# Altium PCB OECU_BASE.PcbDoc (part 3 of 6) (continued)
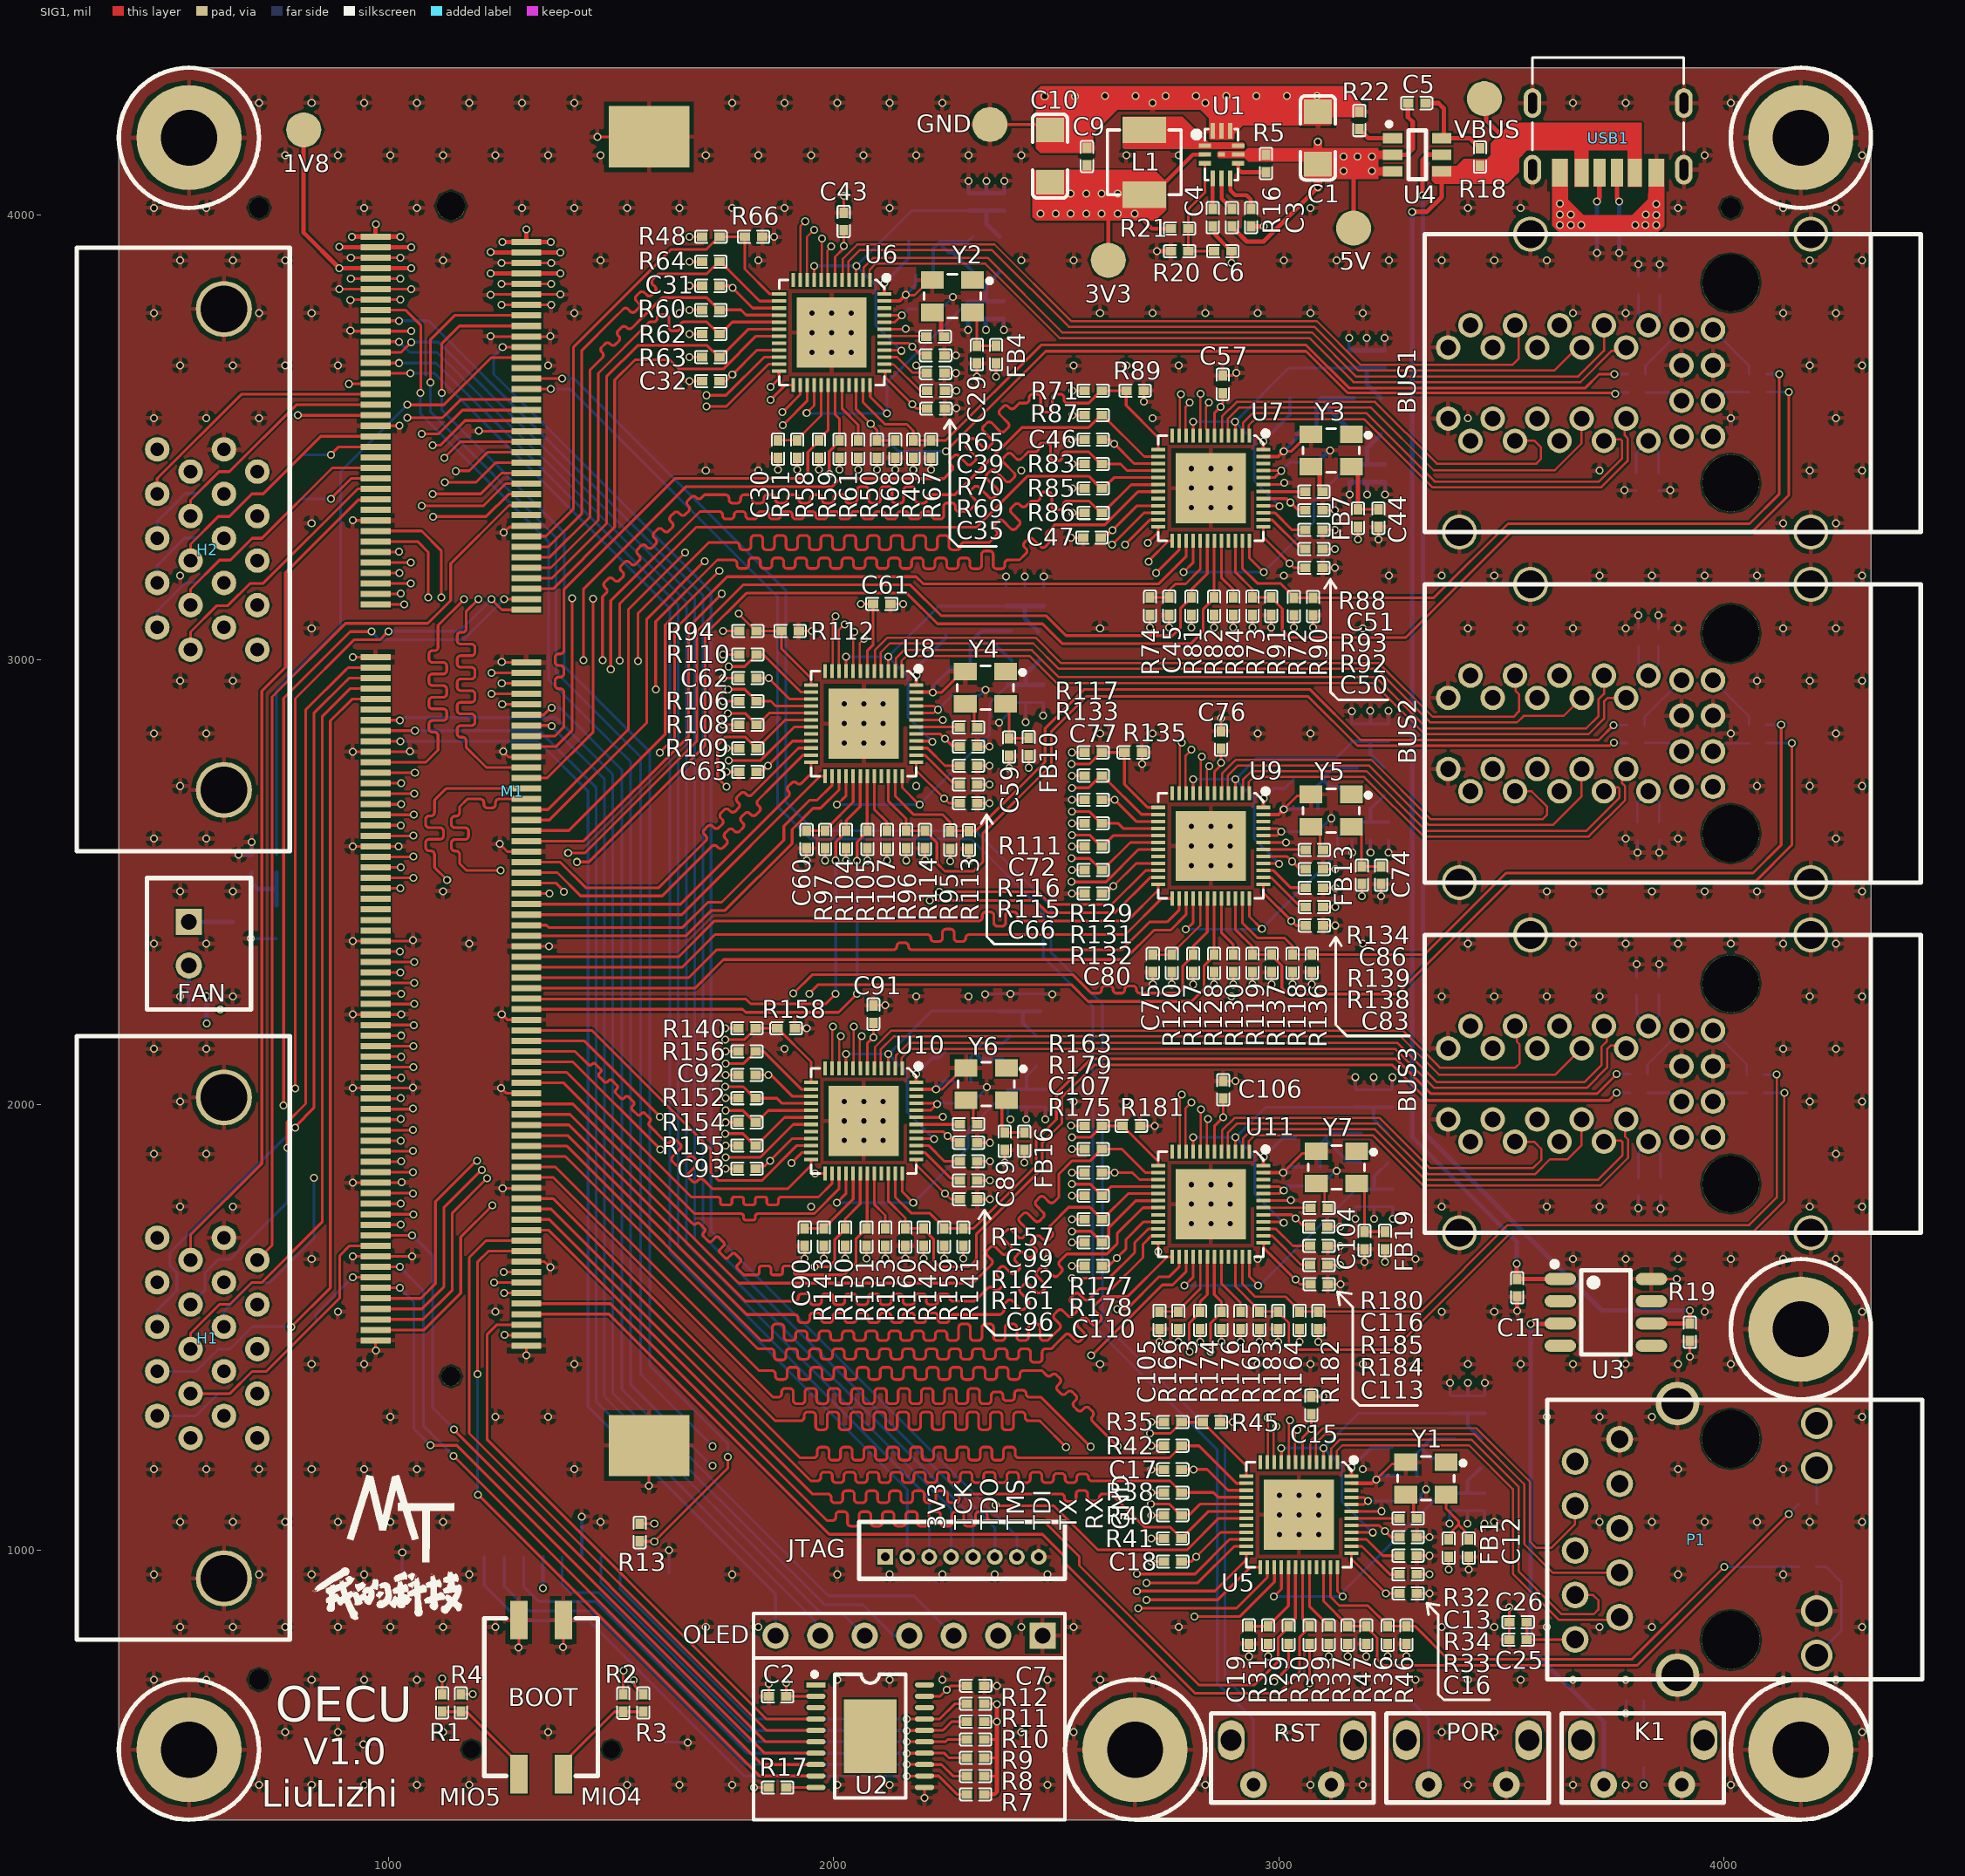
[diagram p0: SIG1 view]
## Nets (pads, with @x,y where several pads share a name; then routed paths per layer and width w, separated by ;. In a path a pad name is that pad's centre, name@x,y a point inside that pad or via, vN(x,y) a via of type N, cw(c..) or ccw(c..) an arc to the next point about the centre after c; other vN are vias at no path point) (continued)
  SIG2 w5.61: v1(1028,2156) 1279.14,2156 1307.56,2156 cw(c1307.56,2148.32) 1315.24,2148.32 1315.24,2142.61 ccw(c1322.93,2142.61) 1322.93,2134.93 1333.17,2134.93 ccw(c1333.17,2142.61) 1340.85,2142.61 1340.85,2153.39 cw(c1348.54,2153.39) 1348.54,2161.07 1358.78,2161.07 cw(c1358.78,2153.39) 1366.46,2153.39 1366.46,2142.61 ccw(c1374.15,2142.61) 1374.15,2134.93 1384.39,2134.93 ccw(c1384.39,2142.61) 1392.07,2142.61 1392.07,2153.39 cw(c1399.76,2153.39) 1399.76,2161.07 1410,2161.07 cw(c1410,2153.39) 1417.68,2153.39 1417.68,2142.61 ccw(c1425.37,2142.61) 1425.37,2134.93 1435.61,2134.93 ccw(c1435.61,2142.61) 1443.29,2142.61 1443.29,2148.32 cw(c1450.98,2148.32) 1450.98,2156 1462.81,2156 1667.5,2156 1673.39,2150.11 1675.38,2148.12 ccw(c1680.81,2153.56) 1686.24,2148.12 1686.39,2148.27 cw(c1691.82,2142.84) 1697.25,2148.27 1704.5,2141.03 cw(c1699.06,2135.59) 1704.5,2130.16 1692.69,2118.35 ccw(c1698.12,2112.92) 1692.69,2107.48 1699.93,2100.24 ccw(c1705.36,2105.67) 1710.79,2100.24 1711.59,2101.04 cw(c1717.03,2095.61) 1722.46,2101.04 1730.5,2093 1736.74,2093 v1(1757,2093)
IO34_15N: M1.137 R127.1 U9.30 | length 2117
  SIG1 w6.16: M1.137@970.71,2250.31 1027.69,2250.31 v1(1028,2250) ; v1(1909.5,2250.5) 1951.5,2292.5 2537.63,2292.5 2579.13,2251 2590.75,2251 2593.83,2251 ccw(c2593.83,2258.85) 2601.68,2258.85 2601.68,2259.6 cw(c2609.53,2259.6) 2609.53,2267.45 2619.99,2267.45 cw(c2619.99,2259.6) 2627.84,2259.6 2627.84,2258.85 ccw(c2635.69,2258.85) 2635.69,2251 2646.15,2251 ccw(c2646.15,2258.85) 2654,2258.85 2654,2259.6 cw(c2661.85,2259.6) 2661.85,2267.45 2672.31,2267.45 cw(c2672.31,2259.6) 2680.16,2259.6 2680.16,2258.85 ccw(c2688.01,2258.85) 2688.01,2251 2701.72,2251 2774,2251 2784,2261 2784,2311.72 2808,2335.72 R127.1@2808,2337.68 2808,2357 2839.51,2388.51 U9.30@2839.51,2463.78
  SIG2 w5.61: v1(1028,2250) 1909,2250 v1(1909.5,2250.5)
IO34_15P: M1.139 R128.1 U9.31 | length 2120.4
  SIG1 w6.16: M1.139@970.71,2226.69 1057.69,2226.69 v1(1058,2227) ; v1(1945,2250) 1955.87,2260.87 1965.5,2270.5 2533.5,2270.5 2571.48,2232.52 2804.52,2232.52 2832,2260 2832,2312 2848.24,2328.24 2848.24,2330.92 R128.1@2855,2337.68 2855,2463.52 U9.31@2855.26,2463.78
  SIG2 w5.61: v1(1058,2227) 1058.5,2226.5 1921.5,2226.5 v1(1945,2250)
IO34_16N: M1.133 R132.1 U9.18 | length 2122.7
  SIG1 w6.16: M1.133@970.71,2297.56 1025.56,2297.56 v1(1026,2298) ; v1(2534.5,2554) 2574.72,2554 2593.95,2534.76 2600.72,2528 2604.65,2528 2666.42,2589.76 U9.18@2729.28,2589.76
  SIG2 w5.61: v1(1026,2298) 1504.13,2298 1506.94,2298 ccw(c1506.94,2305.68) 1514.62,2305.68 1514.62,2310.32 cw(c1522.3,2310.32) 1522.3,2318 1532.55,2318 cw(c1532.55,2310.32) 1540.23,2310.32 1540.23,2299.61 ccw(c1547.91,2299.61) 1547.91,2291.93 1558.16,2291.93 ccw(c1558.16,2299.61) 1565.84,2299.61 1565.84,2310.32 cw(c1573.52,2310.32) 1573.52,2318 1583.77,2318 cw(c1583.77,2310.32) 1591.45,2310.32 1591.45,2299.61 ccw(c1599.13,2299.61) 1599.13,2291.93 1609.38,2291.93 ccw(c1609.38,2299.61) 1617.06,2299.61 1617.06,2310.32 cw(c1624.74,2310.32) 1624.74,2318 1634.99,2318 cw(c1634.99,2310.32) 1642.67,2310.32 1642.67,2299.61 ccw(c1650.35,2299.61) 1650.35,2291.93 1660.6,2291.93 ccw(c1660.6,2299.61) 1668.28,2299.61 1668.28,2310.32 cw(c1675.96,2310.32) 1675.96,2318 1686.21,2318 cw(c1686.21,2310.32) 1693.89,2310.32 1693.89,2299.61 ccw(c1701.57,2299.61) 1701.57,2291.93 1711.82,2291.93 ccw(c1711.82,2299.61) 1719.5,2299.61 1719.5,2310.32 cw(c1727.18,2310.32) 1727.18,2318 1737.43,2318 cw(c1737.43,2310.32) 1745.11,2310.32 1745.11,2299.61 ccw(c1752.79,2299.61) 1752.79,2291.93 1763.04,2291.93 ccw(c1763.04,2299.61) 1770.72,2299.61 1770.72,2310.32 cw(c1778.4,2310.32) 1778.4,2318 1788.65,2318 cw(c1788.65,2310.32) 1796.33,2310.32 1796.33,2305.68 ccw(c1804.01,2305.68) 1804.01,2298 1834.32,2298 2278.5,2298 v1(2534.5,2554)
IO34_16P: M1.135 U9.19 | length 2106.5
  SIG1 w6.16: M1.135@970.71,2273.93 1057.93,2273.93 v1(1058,2274) ; v1(2534.5,2501) 2611.98,2501 2684.99,2574.02 U9.19@2729.28,2574.02
  SIG2 w5.61: v1(1058,2274) 2307.5,2274 2345.61,2312.11 2347.59,2314.09 ccw(c2342.16,2319.52) 2347.59,2324.95 2344.63,2327.91 cw(c2350.07,2333.34) 2344.63,2338.78 2351.88,2346.02 cw(c2357.31,2340.59) 2362.74,2346.02 2379.84,2328.92 ccw(c2385.27,2334.35) 2390.71,2328.92 2397.95,2336.17 ccw(c2392.52,2341.6) 2397.95,2347.03 2380.85,2364.13 cw(c2386.28,2369.56) 2380.85,2374.99 2388.09,2382.24 cw(c2393.53,2376.8) 2398.96,2382.24 2416.06,2365.14 ccw(c2421.49,2370.57) 2426.92,2365.14 2434.17,2372.38 ccw(c2428.73,2377.82) 2434.17,2383.25 2417.07,2400.35 cw(c2422.5,2405.78) 2417.07,2411.21 2424.31,2418.46 cw(c2429.75,2413.02) 2435.18,2418.46 2452.28,2401.36 ccw(c2457.71,2406.79) 2463.14,2401.36 2470.39,2408.6 ccw(c2464.95,2414.03) 2470.39,2419.47 2453.29,2436.56 cw(c2458.72,2442) 2453.29,2447.43 2460.53,2454.67 cw(c2465.96,2449.24) 2471.4,2454.67 2474.35,2451.72 ccw(c2479.78,2457.15) 2485.22,2451.72 2508.65,2475.15 v1(2534.5,2501)
IO34_17N: M1.131 R131.1 U9.17 | length 2193.2
  SIG1 w6.16: M1.131@970.71,2321.18 1057.68,2321.18 v1(1058,2321.5) ; v1(2535,2606.5) 2575.22,2606.5 2600.72,2581 R131.1@2602.68,2581 2604.65,2581 2611.42,2587.76 2611.42,2587.92 2629.01,2605.51 U9.17@2729.28,2605.51
  SIG2 w5.61: v1(1058,2321.5) 1356,2321.5 1382,2347.5 1825.22,2347.5 1853.63,2347.5 cw(c1853.63,2339.82) 1861.32,2339.82 1861.32,2339.22 ccw(c1869,2339.22) 1869,2331.53 1879.24,2331.53 ccw(c1879.24,2339.22) 1886.93,2339.22 1886.93,2353.52 cw(c1894.61,2353.52) 1894.61,2361.21 1904.85,2361.21 cw(c1904.85,2353.52) 1912.54,2353.52 1912.54,2339.22 ccw(c1920.22,2339.22) 1920.22,2331.53 1930.46,2331.53 ccw(c1930.46,2339.22) 1938.15,2339.22 1938.15,2353.52 cw(c1945.83,2353.52) 1945.83,2361.21 1956.07,2361.21 cw(c1956.07,2353.52) 1963.76,2353.52 1963.76,2339.22 ccw(c1971.44,2339.22) 1971.44,2331.53 1981.68,2331.53 ccw(c1981.68,2339.22) 1989.37,2339.22 1989.37,2353.52 cw(c1997.05,2353.52) 1997.05,2361.21 2007.29,2361.21 cw(c2007.29,2353.52) 2014.98,2353.52 2014.98,2339.22 ccw(c2022.66,2339.22) 2022.66,2331.53 2032.9,2331.53 ccw(c2032.9,2339.22) 2040.59,2339.22 2040.59,2353.52 cw(c2048.27,2353.52) 2048.27,2361.21 2058.51,2361.21 cw(c2058.51,2353.52) 2066.2,2353.52 2066.2,2339.22 ccw(c2073.88,2339.22) 2073.88,2331.53 2084.12,2331.53 ccw(c2084.12,2339.22) 2091.81,2339.22 2091.81,2353.52 cw(c2099.49,2353.52) 2099.49,2361.21 2109.73,2361.21 cw(c2109.73,2353.52) 2117.42,2353.52 2117.42,2339.22 ccw(c2125.1,2339.22) 2125.1,2331.53 2135.34,2331.53 ccw(c2135.34,2339.22) 2143.03,2339.22 2143.03,2353.52 cw(c2150.71,2353.52) 2150.71,2361.21 2160.95,2361.21 cw(c2160.95,2353.52) 2168.64,2353.52 2168.64,2339.22 ccw(c2176.32,2339.22) 2176.32,2331.53 2186.56,2331.53 ccw(c2186.56,2339.22) 2194.25,2339.22 2194.25,2339.82 cw(c2201.93,2339.82) 2201.93,2347.5 2250.36,2347.5 2276,2347.5 v1(2535,2606.5)
IO34_17P: M1.129 R129.1 U9.16 | length 2196.5
  SIG1 w6.16: M1.129@970.71,2344.8 1025.3,2344.8 v1(1025.5,2345) ; v1(2535,2659) 2574.72,2659 2600.72,2633 R129.1@2602.68,2633 2638.5,2633 2650.24,2621.26 U9.16@2729.28,2621.26
  SIG2 w5.61: v1(1025.5,2345) 1319,2345 1367.75,2393.75 2269.75,2393.75 2286,2410 2287.98,2411.98 ccw(c2282.55,2417.42) 2287.98,2422.85 2284.78,2426.06 cw(c2290.21,2431.49) 2284.78,2436.92 2292.02,2444.16 cw(c2297.45,2438.73) 2302.89,2444.16 2319.66,2427.39 ccw(c2325.1,2432.82) 2330.53,2427.39 2337.77,2434.63 ccw(c2332.34,2440.06) 2337.77,2445.5 2321,2462.27 cw(c2326.43,2467.71) 2321,2473.14 2328.24,2480.38 cw(c2333.67,2474.95) 2339.1,2480.38 2355.88,2463.6 ccw(c2361.32,2469.04) 2366.75,2463.6 2373.99,2470.85 ccw(c2368.56,2476.28) 2373.99,2481.71 2357.21,2498.49 cw(c2362.65,2503.92) 2357.21,2509.36 2364.46,2516.6 cw(c2369.89,2511.17) 2375.32,2516.6 2392.1,2499.82 ccw(c2397.53,2505.26) 2402.97,2499.82 2410.21,2507.07 ccw(c2404.78,2512.5) 2410.21,2517.93 2393.43,2534.71 cw(c2398.86,2540.14) 2393.43,2545.57 2400.68,2552.82 cw(c2406.11,2547.39) 2411.54,2552.82 2428.32,2536.04 ccw(c2433.75,2541.47) 2439.18,2536.04 2446.43,2543.28 ccw(c2440.99,2548.72) 2446.43,2554.15 2438.92,2561.66 cw(c2444.35,2567.09) 2438.92,2572.52 2446.17,2579.76 cw(c2451.6,2574.33) 2457.03,2579.76 2464.54,2572.26 ccw(c2469.97,2577.69) 2475.4,2572.26 2482.65,2579.5 ccw(c2477.21,2584.93) 2482.65,2590.37 2479.94,2593.07 cw(c2485.37,2598.51) 2479.94,2603.94 2498.59,2622.59 v1(2535,2659)
IO34_18N: M1.132 U9.25 | length 1576.7
  SIG1 w6.16: M1.132@1309.29,2309.37 1659.87,2309.37 1733.5,2383 2181.14,2383 2210.38,2383 cw(c2210.38,2375.15) 2218.23,2375.15 2218.23,2374.83 ccw(c2226.08,2374.83) 2226.08,2366.98 2236.54,2366.98 ccw(c2236.54,2374.83) 2244.39,2374.83 2244.39,2387.21 cw(c2252.24,2387.21) 2252.24,2395.06 2262.7,2395.06 cw(c2262.7,2387.21) 2270.55,2387.21 2270.55,2374.83 ccw(c2278.4,2374.83) 2278.4,2366.98 2288.86,2366.98 ccw(c2288.86,2374.83) 2296.71,2374.83 2296.71,2375.15 cw(c2304.56,2375.15) 2304.56,2383 2343.57,2383 2655.63,2383 2736.41,2463.78 U9.25@2760.77,2463.78
IO34_18P: M1.130 U9.24 | length 1571.7
  SIG1 w6.16: M1.130@1309.29,2332.99 1651.99,2332.99 1732.54,2413.54 2322.98,2413.54 2326.06,2413.54 ccw(c2326.06,2421.39) 2333.91,2421.39 2333.91,2425.69 cw(c2341.76,2425.69) 2341.76,2433.54 2352.22,2433.54 cw(c2352.22,2425.69) 2360.07,2425.69 2360.07,2409.33 ccw(c2367.92,2409.33) 2367.92,2401.48 2378.38,2401.48 ccw(c2378.38,2409.33) 2386.23,2409.33 2386.23,2425.69 cw(c2394.08,2425.69) 2394.08,2433.54 2404.54,2433.54 cw(c2404.54,2425.69) 2412.39,2425.69 2412.39,2421.39 ccw(c2420.24,2421.39) 2420.24,2413.54 2446.62,2413.54 2660.04,2413.54 2729.28,2482.78 U9.24@2729.28,2495.28
IO34_19N: M1.104 U7.24 | length 2140.3
  SIG1 w6.16: M1.104@1309.29,2640.08 1361.08,2640.08 1580,2859 1580,3092.13 v1@1709.93,3222.07 ; v1(2705.5,3263) 2729.28,3286.78 U7.24@2729.28,3299.28
  SIG2 w5.61: v1(1710,3222) 1710,3224 1767,3281 2149.12,3281 2151.93,3281 ccw(c2151.93,3288.68) 2159.61,3288.68 2159.61,3291.82 cw(c2167.29,3291.82) 2167.29,3299.5 2177.54,3299.5 cw(c2177.54,3291.82) 2185.22,3291.82 2185.22,3269.71 ccw(c2192.9,3269.71) 2192.9,3262.02 2203.15,3262.02 ccw(c2203.15,3269.71) 2210.83,3269.71 2210.83,3291.82 cw(c2218.51,3291.82) 2218.51,3299.5 2228.76,3299.5 cw(c2228.76,3291.82) 2236.44,3291.82 2236.44,3269.71 ccw(c2244.12,3269.71) 2244.12,3262.02 2254.37,3262.02 ccw(c2254.37,3269.71) 2262.05,3269.71 2262.05,3291.82 cw(c2269.73,3291.82) 2269.73,3299.5 2279.98,3299.5 cw(c2279.98,3291.82) 2287.66,3291.82 2287.66,3269.71 ccw(c2295.34,3269.71) 2295.34,3262.02 2305.59,3262.02 ccw(c2305.59,3269.71) 2313.27,3269.71 2313.27,3291.82 cw(c2320.95,3291.82) 2320.95,3299.5 2331.2,3299.5 cw(c2331.2,3291.82) 2338.88,3291.82 2338.88,3269.71 ccw(c2346.56,3269.71) 2346.56,3262.02 2356.81,3262.02 ccw(c2356.81,3269.71) 2364.49,3269.71 2364.49,3273.32 cw(c2372.17,3273.32) 2372.17,3281 2383.86,3281 2442.36,3281 2517,3206.36 2648.86,3206.36 v1(2705.5,3263)
IO34_19P: M1.102 U7.23 | length 2140.7
  SIG1 w6.16: M1.102@1309.29,2663.7 1358.2,2663.7 1539,2844.5 1539,3114 v1(1666,3241) ; v1(2654.5,3258.5) 2654.5,3258.74 2710.79,3315.02 U7.23@2729.28,3315.02
  SIG2 w5.61: v1(1666,3241) 1705,3280 1749,3324 1790.07,3324 1792.88,3324 ccw(c1792.88,3331.68) 1800.56,3331.68 1800.56,3337.68 cw(c1808.24,3337.68) 1808.24,3345.36 1818.49,3345.36 cw(c1818.49,3337.68) 1826.17,3337.68 1826.17,3316.32 ccw(c1833.85,3316.32) 1833.85,3308.64 1844.1,3308.64 ccw(c1844.1,3316.32) 1851.78,3316.32 1851.78,3337.68 cw(c1859.46,3337.68) 1859.46,3345.36 1869.71,3345.36 cw(c1869.71,3337.68) 1877.39,3337.68 1877.39,3316.32 ccw(c1885.07,3316.32) 1885.07,3308.64 1895.32,3308.64 ccw(c1895.32,3316.32) 1903,3316.32 1903,3337.68 cw(c1910.68,3337.68) 1910.68,3345.36 1920.93,3345.36 cw(c1920.93,3337.68) 1928.61,3337.68 1928.61,3316.32 ccw(c1936.29,3316.32) 1936.29,3308.64 1946.54,3308.64 ccw(c1946.54,3316.32) 1954.22,3316.32 1954.22,3337.68 cw(c1961.9,3337.68) 1961.9,3345.36 1972.15,3345.36 cw(c1972.15,3337.68) 1979.83,3337.68 1979.83,3331.68 ccw(c1987.51,3331.68) 1987.51,3324 2002.32,3324 2424.71,3324 2524.42,3224.29 2620.29,3224.29 v1(2654.5,3258.5)
IO34_20N: M1.66 R63.1 U6.18 | length 1015
  SIG1 w6.16: M1.66@1309.29,3183.38 1366.79,3183.38 1489.42,3306.02 1489.42,3636.38 1559.54,3706.5 1715.72,3706.5 1741.72,3680.5 1745.65,3680.5 1808.42,3743.26 U6.18@1877.28,3743.26
IO34_20P: M1.68 U6.19 | length 1014.1
  SIG1 w6.16: M1.68@1309.29,3159.76 1369.3,3159.76 1507.9,3298.36 1507.9,3628.73 1553.67,3674.5 1631.5,3674.5 1652.5,3653.5 1751.5,3653.5 1825.52,3727.52 U6.19@1877.28,3727.52
IO34_21N: M1.136 U9.27 | length 1587.4
  SIG1 w6.16: M1.136@1309.29,2262.12 1687.89,2262.12 1752.27,2326.5 2653.5,2326.5 2719.52,2392.52 2756.65,2392.52 2792.27,2428.13 U9.27@2792.27,2463.78
IO34_21P: M1.134 U9.26 | length 1574.3
  SIG1 w6.16: M1.134@1309.29,2285.74 1674.24,2285.74 1737,2348.5 2130.96,2348.5 2134.04,2348.5 ccw(c2134.04,2356.35) 2141.89,2356.35 2141.89,2356.67 cw(c2149.74,2356.67) 2149.74,2364.52 2160.2,2364.52 cw(c2160.2,2356.67) 2168.05,2356.67 2168.05,2356.35 ccw(c2175.9,2356.35) 2175.9,2348.5 2192.13,2348.5 2647.27,2348.5 2709.77,2411 2749,2411 2776.52,2438.52 U9.26@2776.52,2463.78
IO34_22N: M1.117 R133.1 U9.14 | length 2040.3
  SIG1 w6.16: M1.117@970.71,2486.53 v1(1026.5,2486.5) ; v1(2535,2712.5) 2573.22,2712.5 2600.72,2740 R133.1@2602.68,2740 2604.65,2740 2611.42,2733.24 2611.42,2732.58 2691.24,2652.76 U9.14@2729.28,2652.76
  SIG2 w5.61: v1(1026.5,2486.5) 1095,2418 2240.5,2418 2408.38,2585.88 2410.36,2587.86 ccw(c2404.93,2593.3) 2410.36,2598.73 2407.68,2601.41 cw(c2413.12,2606.84) 2407.68,2612.27 2414.93,2619.52 cw(c2420.36,2614.08) 2425.79,2619.52 2440.2,2605.11 ccw(c2445.63,2610.55) 2451.06,2605.11 2458.3,2612.36 ccw(c2452.87,2617.79) 2458.3,2623.22 2443.9,2637.63 cw(c2449.33,2643.06) 2443.9,2648.49 2451.15,2655.73 cw(c2456.58,2650.3) 2462.01,2655.73 2464.69,2653.06 ccw(c2470.12,2658.49) 2475.56,2653.06 2492.3,2669.8 v1(2535,2712.5)
IO34_22P: M1.115 R117.2 R135.1 U9.13 | length 2039.5
  SIG1 w6.16: M1.115@970.71,2510.15 1055.35,2510.15 v1(1055.5,2510) ; v1(2534.5,2766) 2574.72,2766 2600.72,2792 R117.2@2602.69,2792 R135.1@2653.32,2792 2653.32,2720.68 2705.5,2668.5 2717.5,2668.5 U9.13@2729.28,2668.5
  SIG2 w5.61: v1(1055.5,2510) 1125.5,2440 2229,2440 2344.5,2555.5 2344.5,2578 2532.5,2766 v1(2534.5,2766)
IO34_23N: M1.101 R85.1 U7.17 | length 2262.4
  SIG1 w6.16: M1.101@970.71,2675.51 1027.51,2675.51 v1(1028,2676) ; v1(1519,2998.5) 1519,3126.06 1690.94,3298 2321,3298 2436,3413 2572.72,3413 2600.72,3385 R85.1@2602.68,3385 2609.45,3391.76 2611.76,3391.76 2629.51,3409.51 U7.17@2729.28,3409.51
  SIG2 w5.61: v1(1028,2676) 1370.5,2676 1519,2824.5 v1(1519,2998.5)
IO34_23P: M1.103 R86.1 U7.18 | length 2871.4
  SIG1 w6.16: M1.103@970.71,2651.89 1056.89,2651.89 v1(1057,2652) ; v1(1560,2997.5) 1560,3104 1720,3264 1751.08,3264 1780.32,3264 cw(c1780.32,3256.15) 1788.17,3256.15 1788.17,3255.34 ccw(c1796.02,3255.34) 1796.02,3247.49 1806.48,3247.49 ccw(c1806.48,3255.34) 1814.33,3255.34 1814.33,3271.67 cw(c1822.18,3271.67) 1822.18,3279.52 1832.64,3279.52 cw(c1832.64,3271.67) 1840.49,3271.67 1840.49,3255.34 ccw(c1848.34,3255.34) 1848.34,3247.49 1858.8,3247.49 ccw(c1858.8,3255.34) 1866.65,3255.34 1866.65,3271.67 cw(c1874.5,3271.67) 1874.5,3279.52 1884.96,3279.52 cw(c1884.96,3271.67) 1892.81,3271.67 1892.81,3255.34 ccw(c1900.66,3255.34) 1900.66,3247.49 1911.12,3247.49 ccw(c1911.12,3255.34) 1918.97,3255.34 1918.97,3271.67 cw(c1926.82,3271.67) 1926.82,3279.52 1937.28,3279.52 cw(c1937.28,3271.67) 1945.13,3271.67 1945.13,3255.34 ccw(c1952.98,3255.34) 1952.98,3247.49 1963.44,3247.49 ccw(c1963.44,3255.34) 1971.29,3255.34 1971.29,3271.67 cw(c1979.14,3271.67) 1979.14,3279.52 1989.6,3279.52 cw(c1989.6,3271.67) 1997.45,3271.67 1997.45,3255.34 ccw(c2005.3,3255.34) 2005.3,3247.49 2015.76,3247.49 ccw(c2015.76,3255.34) 2023.61,3255.34 2023.61,3271.67 cw(c2031.46,3271.67) 2031.46,3279.52 2041.92,3279.52 cw(c2041.92,3271.67) 2049.77,3271.67 2049.77,3255.34 ccw(c2057.62,3255.34) 2057.62,3247.49 2068.08,3247.49 ccw(c2068.08,3255.34) 2075.93,3255.34 2075.93,3271.67 cw(c2083.78,3271.67) 2083.78,3279.52 2094.24,3279.52 cw(c2094.24,3271.67) 2102.09,3271.67 2102.09,3255.34 ccw(c2109.94,3255.34) 2109.94,3247.49 2120.4,3247.49 ccw(c2120.4,3255.34) 2128.25,3255.34 2128.25,3271.67 cw(c2136.1,3271.67) 2136.1,3279.52 2146.56,3279.52 cw(c2146.56,3271.67) 2154.41,3271.67 2154.41,3255.34 ccw(c2162.26,3255.34) 2162.26,3247.49 2172.72,3247.49 ccw(c2172.72,3255.34) 2180.57,3255.34 2180.57,3271.67 cw(c2188.42,3271.67) 2188.42,3279.52 2198.88,3279.52 cw(c2198.88,3271.67) 2206.73,3271.67 2206.73,3255.34 ccw(c2214.58,3255.34) 2214.58,3247.49 2225.04,3247.49 ccw(c2225.04,3255.34) 2232.89,3255.34 2232.89,3271.67 cw(c2240.74,3271.67) 2240.74,3279.52 2251.2,3279.52 cw(c2251.2,3271.67) 2259.05,3271.67 2259.05,3255.34 ccw(c2266.9,3255.34) 2266.9,3247.49 2277.36,3247.49 ccw(c2277.36,3255.34) 2285.21,3255.34 2285.21,3256.15 cw(c2293.06,3256.15) 2293.06,3264 2333.77,3264 2350,3264 2363.19,3277.19 2365.36,3279.36 ccw(c2359.81,3284.91) 2365.36,3290.46 2362.32,3293.51 cw(c2367.87,3299.05) 2362.32,3304.6 2369.72,3312 cw(c2375.27,3306.45) 2380.82,3312 2398,3294.82 ccw(c2403.55,3300.37) 2409.1,3294.82 2416.5,3302.22 ccw(c2410.95,3307.77) 2416.5,3313.32 2399.32,3330.5 cw(c2404.86,3336.05) 2399.32,3341.6 2406.71,3349 cw(c2412.26,3343.45) 2417.81,3349 2420.86,3345.96 ccw(c2426.41,3351.51) 2431.96,3345.96 2443,3357 2449.03,3357 2452.95,3357 2456.03,3357 ccw(c2456.03,3364.85) 2463.88,3364.85 2463.88,3369.15 cw(c2471.72,3369.15) 2471.72,3377 2482.19,3377 cw(c2482.19,3369.15) 2490.04,3369.15 2490.04,3344.85 ccw(c2497.88,3344.85) 2497.88,3337 2508.35,3337 ccw(c2508.35,3344.85) 2516.2,3344.85 2516.2,3349.15 cw(c2524.04,3349.15) 2524.04,3357 2542.95,3357 2573.72,3357 2593.95,3336.76 2600.72,3330 R86.1@2602.68,3330 2604.65,3330 2668.42,3393.76 U7.18@2729.28,3393.76
  SIG2 w5.61: v1(1057,2652) 1373.5,2652 1560,2838.5 v1(1560,2997.5)
IO34_24N: M1.62 R60.1 U6.16 | length 1062.7
  SIG1 w6.16: M1.62@1309.29,3230.63 1361.76,3230.63 1452.46,3321.33 1452.46,3651.69 1477.94,3677.17 1480.12,3679.35 ccw(c1474.57,3684.9) 1480.12,3690.45 1478.81,3691.76 cw(c1484.36,3697.31) 1478.81,3702.86 1486.21,3710.26 cw(c1491.76,3704.71) 1497.3,3710.26 1498.62,3708.95 ccw(c1504.17,3714.5) 1509.72,3708.95 1517.12,3716.35 ccw(c1511.57,3721.9) 1517.12,3727.45 1515.8,3728.76 cw(c1521.35,3734.31) 1515.8,3739.86 1523.2,3747.26 cw(c1528.75,3741.71) 1534.3,3747.26 1535.61,3745.94 ccw(c1541.16,3751.49) 1546.71,3745.94 1568.56,3767.79 1614.77,3814 1714.22,3814 1741.72,3786.5 1791.5,3786.5 1803.24,3774.76 U6.16@1877.28,3774.76
IO34_24P: M1.64 R62.1 U6.17 | length 1066.3
  SIG1 w6.16: M1.64@1309.29,3207.01 1364.28,3207.01 1470.94,3313.67 1470.94,3644.04 1586.4,3759.5 1592.47,3759.5 1595.55,3759.5 ccw(c1595.55,3767.35) 1603.4,3767.35 1603.4,3768.65 cw(c1611.25,3768.65) 1611.25,3776.5 1621.71,3776.5 cw(c1621.71,3768.65) 1629.56,3768.65 1629.56,3747.35 ccw(c1637.41,3747.35) 1637.41,3739.5 1647.87,3739.5 ccw(c1647.87,3747.35) 1655.72,3747.35 1655.72,3751.65 cw(c1663.57,3751.65) 1663.57,3759.5 1687.73,3759.5 1714.72,3759.5 1734.95,3739.26 1741.72,3732.5 R62.1@1743.68,3732.5 1745.65,3732.5 1772.17,3759.01 U6.17@1877.28,3759.01
IO35_3N: M1.166 U11.23 | length 2330.5
  SIG1 w6.16: M1.166@1309.29,1907.79 1399.81,1907.79 1837.12,1470.48 1851.24,1470.48 1854.32,1470.48 ccw(c1854.32,1478.33) 1862.16,1478.33 1862.16,1499.83 cw(c1870.01,1499.83) 1870.01,1507.67 1880.48,1507.67 cw(c1880.48,1499.83) 1888.33,1499.83 1888.33,1478.33 ccw(c1896.17,1478.33) 1896.17,1470.48 1906.64,1470.48 ccw(c1906.64,1478.33) 1914.48,1478.33 1914.48,1484.41 cw(c1922.33,1484.41) 1922.33,1492.26 1932.8,1492.26 cw(c1932.8,1484.41) 1940.64,1484.41 1940.64,1478.33 ccw(c1948.49,1478.33) 1948.49,1470.48 1958.96,1470.48 ccw(c1958.96,1478.33) 1966.81,1478.33 1966.81,1484.41 cw(c1974.65,1484.41) 1974.65,1492.26 1985.12,1492.26 cw(c1985.12,1484.41) 1992.96,1484.41 1992.96,1478.33 ccw(c2000.81,1478.33) 2000.81,1470.48 2011.28,1470.48 ccw(c2011.28,1478.33) 2019.12,1478.33 2019.12,1484.41 cw(c2026.97,1484.41) 2026.97,1492.26 2037.44,1492.26 cw(c2037.44,1484.41) 2045.28,1484.41 2045.29,1478.33 ccw(c2053.13,1478.33) 2053.13,1470.48 2063.6,1470.48 ccw(c2063.6,1478.33) 2071.45,1478.33 2071.45,1484.41 cw(c2079.29,1484.41) 2079.29,1492.26 2089.76,1492.26 cw(c2089.76,1484.41) 2097.61,1484.41 2097.61,1478.33 ccw(c2105.45,1478.33) 2105.45,1470.48 2115.92,1470.48 ccw(c2115.92,1478.33) 2123.76,1478.33 2123.76,1484.41 cw(c2131.61,1484.41) 2131.61,1492.26 2142.08,1492.26 cw(c2142.08,1484.41) 2149.93,1484.41 2149.93,1478.33 ccw(c2157.77,1478.33) 2157.77,1470.48 2168.24,1470.48 ccw(c2168.24,1478.33) 2176.09,1478.33 2176.09,1484.41 cw(c2183.93,1484.41) 2183.93,1492.26 2194.4,1492.26 cw(c2194.4,1484.41) 2202.24,1484.41 2202.24,1478.33 ccw(c2210.09,1478.33) 2210.09,1470.48 2220.56,1470.48 ccw(c2220.56,1478.33) 2228.4,1478.33 2228.41,1484.41 cw(c2236.25,1484.41) 2236.25,1492.26 2246.72,1492.26 cw(c2246.72,1484.41) 2254.57,1484.41 2254.57,1478.33 ccw(c2262.41,1478.33) 2262.41,1470.48 2272.88,1470.48 ccw(c2272.88,1478.33) 2280.72,1478.33 2280.72,1499.83 cw(c2288.57,1499.83) 2288.57,1507.67 2299.04,1507.67 cw(c2299.04,1499.83) 2306.88,1499.83 2306.89,1478.33 ccw(c2314.73,1478.33) 2314.73,1470.48 2325.2,1470.48 ccw(c2325.2,1478.33) 2333.05,1478.33 2333.05,1499.83 cw(c2340.89,1499.83) 2340.89,1507.67 2351.36,1507.67 cw(c2351.36,1499.83) 2359.2,1499.83 2359.2,1478.33 ccw(c2367.05,1478.33) 2367.05,1470.48 2377.52,1470.48 ccw(c2377.52,1478.33) 2385.36,1478.33 2385.36,1499.83 cw(c2393.21,1499.83) 2393.21,1507.67 2403.68,1507.67 cw(c2403.68,1499.83) 2411.53,1499.83 2411.53,1478.33 ccw(c2419.37,1478.33) 2419.37,1470.48 2429.84,1470.48 ccw(c2429.84,1478.33) 2437.68,1478.33 2437.68,1499.83 cw(c2445.53,1499.83) 2445.53,1507.67 2456,1507.67 cw(c2456,1499.83) 2463.84,1499.83 2463.84,1478.33 ccw(c2471.69,1478.33) 2471.69,1470.48 2481.03,1470.48 2503.7,1493.15 2505.25,1494.7 2507.43,1496.88 ccw(c2501.88,1502.43) 2507.43,1507.98 2496.25,1519.16 cw(c2501.8,1524.71) 2496.25,1530.26 2503.65,1537.65 cw(c2509.2,1532.11) 2514.75,1537.65 2525.92,1526.48 ccw(c2531.47,1532.03) 2537.02,1526.48 2544.42,1533.88 ccw(c2538.87,1539.42) 2544.42,1544.97 2533.24,1556.15 cw(c2538.79,1561.7) 2533.24,1567.25 2540.64,1574.65 cw(c2546.19,1569.1) 2551.74,1574.65 2562.92,1563.47 ccw(c2568.47,1569.02) 2574.02,1563.47 2591.82,1581.28 2598,1587.45 2625.45,1587.45 2694.88,1656.88 2694.88,1686.88 2714.02,1706.02 U11.23@2729.28,1706.02
IO35_3P: M1.168 U11.25 | length 2239.7
  SIG1 w6.16: M1.168@1309.29,1884.17 1397.29,1884.17 1829.46,1452 1858.7,1452 cw(c1858.7,1444.15) 1866.55,1444.15 1866.55,1434.86 ccw(c1874.4,1434.86) 1874.4,1427.01 1884.86,1427.01 ccw(c1884.86,1434.86) 1892.71,1434.86 1892.71,1444.15 cw(c1900.56,1444.15) 1900.56,1452 1911.02,1452 cw(c1911.02,1444.15) 1918.87,1444.15 1918.87,1436.54 ccw(c1926.72,1436.54) 1926.72,1428.69 1937.18,1428.69 ccw(c1937.18,1436.54) 1945.03,1436.54 1945.03,1444.15 cw(c1952.88,1444.15) 1952.88,1452 1963.34,1452 cw(c1963.34,1444.15) 1971.19,1444.15 1971.19,1436.54 ccw(c1979.04,1436.54) 1979.04,1428.69 1989.5,1428.69 ccw(c1989.5,1436.54) 1997.35,1436.54 1997.35,1444.15 cw(c2005.2,1444.15) 2005.2,1452 2015.66,1452 cw(c2015.66,1444.15) 2023.51,1444.15 2023.51,1436.54 ccw(c2031.36,1436.54) 2031.36,1428.69 2041.82,1428.69 ccw(c2041.82,1436.54) 2049.67,1436.54 2049.67,1444.15 cw(c2057.52,1444.15) 2057.52,1452 2067.98,1452 cw(c2067.98,1444.15) 2075.83,1444.15 2075.83,1436.54 ccw(c2083.68,1436.54) 2083.68,1428.69 2094.14,1428.69 ccw(c2094.14,1436.54) 2101.99,1436.54 2101.99,1444.15 cw(c2109.84,1444.15) 2109.84,1452 2120.3,1452 cw(c2120.3,1444.15) 2128.15,1444.15 2128.15,1436.54 ccw(c2136,1436.54) 2136,1428.69 2146.46,1428.69 ccw(c2146.46,1436.54) 2154.31,1436.54 2154.31,1444.15 cw(c2162.16,1444.15) 2162.16,1452 2172.62,1452 cw(c2172.62,1444.15) 2180.47,1444.15 2180.47,1436.54 ccw(c2188.32,1436.54) 2188.32,1428.69 2198.78,1428.69 ccw(c2198.78,1436.54) 2206.63,1436.54 2206.63,1444.15 cw(c2214.48,1444.15) 2214.48,1452 2224.94,1452 cw(c2224.94,1444.15) 2232.79,1444.15 2232.79,1436.54 ccw(c2240.64,1436.54) 2240.64,1428.69 2251.1,1428.69 ccw(c2251.1,1436.54) 2258.95,1436.54 2258.95,1444.15 cw(c2266.8,1444.15) 2266.8,1452 2277.26,1452 cw(c2277.26,1444.15) 2285.11,1444.15 2285.11,1436.54 ccw(c2292.96,1436.54) 2292.96,1428.69 2303.42,1428.69 ccw(c2303.42,1436.54) 2311.27,1436.54 2311.27,1444.15 cw(c2319.12,1444.15) 2319.12,1452 2329.58,1452 cw(c2329.58,1444.15) 2337.43,1444.15 2337.43,1436.54 ccw(c2345.28,1436.54) 2345.28,1428.69 2355.74,1428.69 ccw(c2355.74,1436.54) 2363.59,1436.54 2363.59,1444.15 cw(c2371.44,1444.15) 2371.44,1452 2381.9,1452 cw(c2381.9,1444.15) 2389.75,1444.15 2389.75,1436.54 ccw(c2397.6,1436.54) 2397.6,1428.69 2408.06,1428.69 ccw(c2408.06,1436.54) 2415.91,1436.54 2415.91,1444.15 cw(c2423.76,1444.15) 2423.76,1452 2434.22,1452 cw(c2434.22,1444.15) 2442.07,1444.15 2442.07,1429.33 ccw(c2449.92,1429.33) 2449.92,1421.48 2460.38,1421.48 ccw(c2460.38,1429.33) 2468.23,1429.33 2468.23,1444.15 cw(c2476.08,1444.15) 2476.08,1452 2488.68,1452 2490.43,1453.74 2499.02,1462.34 2519.7,1483.01 cw(c2525.25,1477.46) 2530.79,1483.01 2543.56,1470.25 ccw(c2549.11,1475.8) 2554.66,1470.25 2562.06,1477.65 ccw(c2556.51,1483.2) 2562.06,1488.75 2549.29,1501.51 cw(c2554.84,1507.06) 2549.29,1512.61 2556.69,1520.01 cw(c2562.24,1514.46) 2567.79,1520.01 2580.55,1507.25 ccw(c2586.1,1512.8) 2591.65,1507.25 2599.05,1514.65 ccw(c2593.5,1520.2) 2599.05,1525.75 2586.29,1538.51 cw(c2591.84,1544.06) 2586.29,1549.61 2599.22,1562.54 2605.65,1568.97 2659.97,1568.97 2749.78,1658.78 U11.25@2760.77,1658.78